# Altium PCB Thermostat_8CH.PCBDOC (part 3 of 10) (continued)
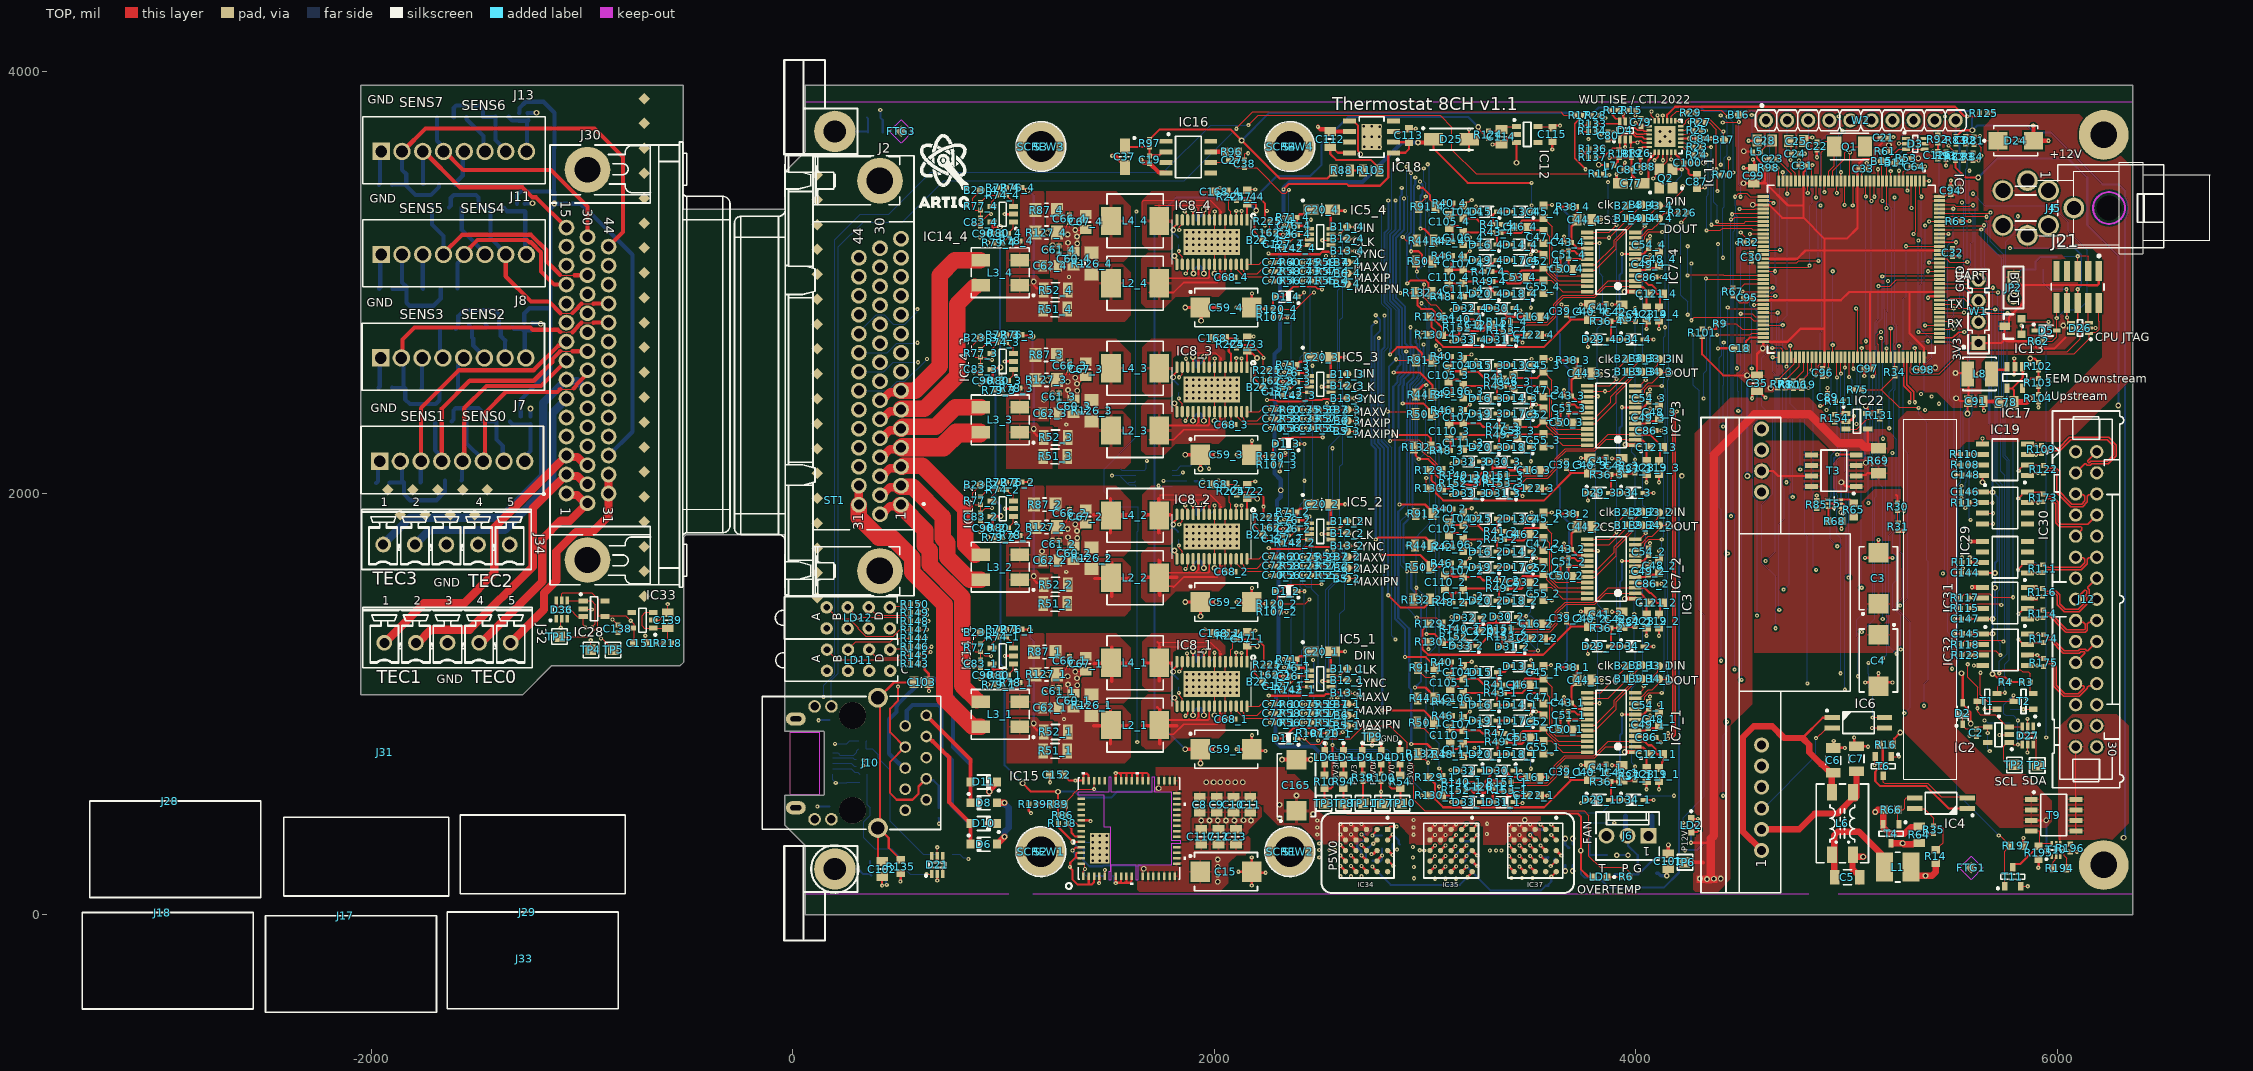
[diagram p0: TOP view]
## Part data (continued)
R40_1 R40_2 R40_3 R40_4 R42_1 R42_2 R42_3 R42_4 R46_1 R46_2 R46_3 R46_4 R48_1 R48_2 R48_3 R48_4: library part R0402_51R_1%_0.0625W_100PPM, "Resistor - 1%", Case=0402, Manufacturer=GENERIC, Manufacturer1 ComponentHeight=0.4mm, Manufacturer1 Example="YAGEO PHYCOMP", Manufacturer1 Part Number=232270675109L, Power=0.0625W, Tolerance=±1%, Author="CERN DEM JLC", Component Type=Standard, CreateDate=03/12/2007, HelpURL=\\cern.ch\dfs\Applications\Altium\Datasheets\R0402_Phycomp_RC0402.pdf, LatestRevisionDate=17/10/2012, Manufacturer Part Number=R0402_51R_1%_0.0625W_100PPM, Mounted=Yes, Part Description="General Purpose Thick Film Chip Resistor", Part Number=R0402_51R_1%_0.0625W_100PPM, Pin Count=2, PressFit=No, Sense=No, SMD=Yes, Socket=No, Status="Not Recommended", TC=±100ppm/°C
R41_1 R41_2 R41_3 R41_4 R43_1 R43_2 R43_3 R43_4 R47_1 R47_2 R47_3 R47_4 R49_1 R49_2 R49_3 R49_4: library part R0402_2K4_1%_0.0625W_100PPM, "Resistor - 1%", Case=0402, Manufacturer=GENERIC, Manufacturer1 ComponentHeight=0.4mm, Manufacturer1 Example="YAGEO PHYCOMP", Manufacturer1 Part Number=232270672702L, Manufacturer Part Number=R0402_2K7_1%_0.0625W_100PPM, Power=0.0625W, Tolerance=±1%, Author="CERN DEM JLC", Component Type=Standard, CreateDate=03.12.2007, HelpURL=\\cern.ch\dfs\Applications\Altium\Datasheets\R0402_Phycomp_RC0402.pdf, LatestRevisionDate=17.10.2012, Mounted=Yes, Part Description="General Purpose Thick Film Chip Resistor", Part Number=R0402_2K7_1%_0.0625W_100PPM, Pin Count=2, PressFit=No, Sense=No, SMD=Yes, Socket=No, Status="Not Recommended", TC=±100ppm/°C
R44_1 R44_2 R44_3 R44_4 R50_1 R50_2 R50_3 R50_4 R91_1 R91_2 R91_3 R91_4 R132_1 R132_2 R132_3 R132_4 R157 R158 R159 R160 R163 R164 R165 R167 R168 R169 R171 R172 R176 R177 R178 R179: library part R0805_5K_0.01%_0.2W_0.2PPM_VISHAY_VSMP, "Resistor - 0.01%", Case=0805, Manufacturer="VISHAY PRECISION", Manufacturer1 ComponentHeight=0.64mm, Manufacturer Part Number=Y16245K00000T9R, Power=0.2W, Tolerance=±0.01%, Author="CERN DEM JLC", Component Type=Standard, CreateDate=22.09.2011, HelpURL=\\cern.ch\dfs\Applications\Altium\Datasheets\R0805_VISHAY_VSMP.pdf, LatestRevisionDate=22.09.2011, Mounted=Yes, Part Description="Ultra High Precision Foil Wraparound Surface Mount Chip Resistor", Part Number=R0805_5K_0.01%_0.2W_0.2PPM_VISHAY_VSMP, Pin Count=2, PressFit=No, Sense=No, SMD=Yes, Socket=No, Status=None, TC=±0.2ppm/°C
R51_1 R51_2 R51_3 R51_4 R52_1 R52_2 R52_3 R52_4: library part R1206_0R1_1%_0.25W_100PPM_YAGEO_PT, "Resistor - 1%", Case=1206, Manufacturer="YAGEO PHYCOMP", Manufacturer Part Number=PT1206FR-070R1L, Power=0.25W, Tolerance=±1%, Author="CERN DEM JMW", ComponentHeight=0.65mm, Component Type=Standard, CreateDate=06/07/2015, HelpURL=\\cern.ch\dfs\Applications\Altium\Datasheets\R1206_YAGEO_PT.pdf, LatestRevisionDate=06/07/2015, Mounted=Yes, Part Description="Current Sensor, Low TCR Chip Resistor", Part Number=R1206_0R1_1%_0.25W_100PPM_YAGEO_PT, Pin Count=2, PressFit=No, Sense=No, SMD=Yes, Socket=No, Status=None, TC=±100ppm/°C
R64 R88 R105: library part R0805_10R_1%_0.125W_200PPM, "Resistor - 1%", Case=0805, Manufacturer=GENERIC, Manufacturer1 ComponentHeight=0.6mm, Manufacturer1 Example="NIC COMPONENT", Manufacturer1 Part Number=NRC10F10R0TRF, Power=0.125W, Tolerance=±1%, Author="CERN DEM JLC", Component Type=Standard, CreateDate=03.12.2007, HelpURL=\\cern.ch\dfs\Applications\Altium\Datasheets\R0805_NIC_NRC.pdf, LatestRevisionDate=24.06.2009, Manufacturer Part Number=R0805_10R_1%_0.125W_200PPM, Mounted=Yes, Part Description="General Purpose Thick Film Chip Resistor", Part Number=R0805_10R_1%_0.125W_200PPM, Pin Count=2, PressFit=No, Sense=No, SMD=Yes, Socket=No, Status=Preferred, TC=±200ppm/°C
R69: library part R1206_0R005_1%_1W_100PPM_TT_LRMAM1206, "Resistor - 1%", Case=1206, Manufacturer="TT Electronics", Manufacturer Part Number=LRMAM1206-R005FT5, Power=1W, Tolerance=±1%, Author="CERN DEM BC", Component Type=Standard, ComponentHeight=0.8mm, CreateDate=29.07.2015, HelpURL="\\cern.ch\dfs\Applications\Altium\Datasheets\R1206_TT ELECTRONICS_LRMA.pdf", LatestRevisionDate=29.07.2015, Mounted=Yes, Part Description="Low Value Metal Alloy Resistor", Part Number=R1206_0R005_1%_1W_100PPM_TT_LRMAM1206, Pin Count=2, PressFit=No, Sense=No, SMD=Yes, Socket=No, Status="Not Recommended", TC=±100ppm/°C
R73: library part R0603_24K_1%_0.1W_100PPM, "Resistor - 1%", Case=0603, Manufacturer=GENERIC, Manufacturer1 ComponentHeight=0.55mm, Manufacturer1 Example="NIC COMPONENT", Manufacturer1 Part Number=NRC06F2402TRF, Power=0.1W, Tolerance=±1%, Author="CERN DEM JLC", Component Type=Standard, CreateDate=03.12.2007, HelpURL=\\cern.ch\dfs\Applications\Altium\Datasheets\R0603_NIC_NRC.pdf, LatestRevisionDate=13.03.2008, Manufacturer Part Number=R0603_24K_1%_0.1W_100PPM, Mounted=Yes, Part Description="General Purpose Thick Film Chip Resistor", Part Number=R0603_24K_1%_0.1W_100PPM, Pin Count=2, Sense=No, SMD=Yes, Socket=No, Status=Preferred, TC=±100ppm/°C
R81 R92 R142_1 R142_2 R142_3 R142_4: library part R0402_1K6_1%_0.0625W_100PPM, "Resistor - 1%", Case=0402, Manufacturer=GENERIC, Manufacturer1 ComponentHeight=0.4mm, Manufacturer1 Example="YAGEO PHYCOMP", Manufacturer1 Part Number=232270671602L, Power=0.0625W, Tolerance=±1%, Author="CERN DEM JLC", Component Type=Standard, CreateDate=03.12.2007, HelpURL=\\cern.ch\dfs\Applications\Altium\Datasheets\R0402_Phycomp_RC0402.pdf, LatestRevisionDate=17.10.2012, Manufacturer Part Number=R0402_1K6_1%_0.0625W_100PPM, Mounted=Yes, Part Description="General Purpose Thick Film Chip Resistor", Part Number=R0402_1K6_1%_0.0625W_100PPM, Pin Count=2, PressFit=No, Sense=No, SMD=Yes, Socket=No, Status="Not Recommended", TC=±100ppm/°C
R86 R121: library part R0402_10k_1%_0.0625W_100PPM, "Resistor - 1%", Case=0402, Manufacturer=GENERIC, Manufacturer1 ComponentHeight=0.4mm, Manufacturer1 Example="YAGEO PHYCOMP", Manufacturer1 Part Number=232270671003L, Manufacturer Part Number=R0402_10K_1%_0.0625W_100PPM, Power=0.0625W, Tolerance=±1%, Author="CERN DEM JLC", Component Type=Standard, CreateDate=03.12.2007, HelpURL=\\cern.ch\dfs\Applications\Altium\Datasheets\R0402_Phycomp_RC0402.pdf, LatestRevisionDate=17.10.2012, Mounted=Yes, Part Description="General Purpose Thick Film Chip Resistor", Part Number=R0402_10K_1%_0.0625W_100PPM, Pin Count=2, PressFit=No, Sense=No, SMD=Yes, Socket=No, Status="Not Recommended", TC=±100ppm/°C
R87_1 R87_2 R87_3 R87_4 R126_1 R126_2 R126_3 R126_4 R127_1 R127_2 R127_3 R127_4: library part R1206_0R_JUMPER_SEI_HCJ, "Resistor", Case=1206, Manufacturer="SEI (STACKPOLE ELECTRONICS INC.)", Manufacturer Part Number=HCJ1206ZT0R00, Author="CERN DEM MR", Component Type=Standard, ComponentHeight=0.8mm, CreateDate=20.02.2018, HelpURL=\\cern.ch\dfs\Applications\Altium\Datasheets\R1206_SEI_HCJ.pdf, LatestRevisionDate=20.02.2018, Mounted=Yes, Part Description="38.7A (0.0005R Max DC Resistance) Zero Ohm Jumper", Part Number=R1206_0R_JUMPER_SEI_HCJ, Pin Count=2, PressFit=No, Sense=No, SMD=Yes, Socket=No, Status="Not Recommended"
R89: library part R0603_1K8_1%_0.1W_100PPM, "Resistor - 1%", Case=0603, Manufacturer=GENERIC, Manufacturer1 ComponentHeight=0.55mm, Manufacturer1 Example="NIC COMPONENT", Manufacturer1 Part Number=NRC06F1801TRF, Power=0.1W, Tolerance=±1%, Author="CERN DEM JLC", Component Type=Standard, CreateDate=03.12.2007, HelpURL=\\cern.ch\dfs\Applications\Altium\Datasheets\R0603_NIC_NRC.pdf, LatestRevisionDate=13.03.2008, Manufacturer Part Number=R0603_1K8_1%_0.1W_100PPM, Mounted=Yes, Part Description="General Purpose Thick Film Chip Resistor", Part Number=R0603_1K8_1%_0.1W_100PPM, Pin Count=2, PressFit=No, Sense=No, SMD=Yes, Socket=No, Status=Preferred, TC=±100ppm/°C
R95 R98: library part R0402_1K5_1%_0.0625W_100PPM, "Resistor - 1%", Case=0402, Manufacturer=GENERIC, Manufacturer1 ComponentHeight=0.4mm, Manufacturer1 Example="YAGEO PHYCOMP", Manufacturer1 Part Number=232270671502L, Power=0.0625W, Tolerance=±1%, Author="CERN DEM JLC", Component Type=Standard, HelpURL=\\cern.ch\dfs\Applications\Altium\Datasheets\R0402_Phycomp_RC0402.pdf, Manufacturer Part Number=R0402_1K5_1%_0.0625W_100PPM, Mounted=Yes, Part Description="General Purpose Thick Film Chip Resistor", Part Number=R0402_1K5_1%_0.0625W_100PPM, Pin Count=2, PressFit=No, Sense=No, SMD=Yes, Socket=No, Status="Not Recommended", TC=±100ppm/°C
  R95: CreateDate=03.12.2007, LatestRevisionDate=17.10.2012
  R98: CreateDate=03/12/2007, LatestRevisionDate=17/10/2012
R102: library part R0402_240K_1%_0.0625W_100PPM, "Resistor - 1%", Case=0402, Manufacturer=GENERIC, Manufacturer1 ComponentHeight=0.4mm, Manufacturer1 Example="YAGEO PHYCOMP", Manufacturer1 Part Number=232270672404L, Power=0.0625W, Tolerance=±1%, Author="CERN DEM JLC", Component Type=Standard, CreateDate=03.12.2007, HelpURL=\\cern.ch\dfs\Applications\Altium\Datasheets\R0402_Phycomp_RC0402.pdf, LatestRevisionDate=17.10.2012, Manufacturer Part Number=R0402_240K_1%_0.0625W_100PPM, Mounted=Yes, Part Description="General Purpose Thick Film Chip Resistor", Part Number=R0402_240K_1%_0.0625W_100PPM, Pin Count=2, PressFit=No, Sense=No, SMD=Yes, Socket=No, Status="Not Recommended", TC=±100ppm/°C
R104: library part R0402_2K_1%_0.0625W_100PPM, "Resistor - 1%", Case=0402, Manufacturer=GENERIC, Manufacturer1 ComponentHeight=0.4mm, Manufacturer1 Example="YAGEO PHYCOMP", Manufacturer1 Part Number=232270672002L, Power=0.0625W, Tolerance=±1%, Author="CERN DEM JLC", Component Type=Standard, CreateDate=03.12.2007, HelpURL=\\cern.ch\dfs\Applications\Altium\Datasheets\R0402_Phycomp_RC0402.pdf, LatestRevisionDate=17.10.2012, Manufacturer Part Number=R0402_2K_1%_0.0625W_100PPM, Mounted=Yes, Part Description="General Purpose Thick Film Chip Resistor", Part Number=R0402_2K_1%_0.0625W_100PPM, Pin Count=2, PressFit=No, Sense=No, SMD=Yes, Socket=No, Status="Not Recommended", TC=±100ppm/°C
R107_1 R107_2 R107_3 R107_4 R128 R138: library part R0402_100K_1%_0.0625W_100PPM, "Resistor - 1%", Case=0402, Manufacturer=GENERIC, Manufacturer1 ComponentHeight=0.4mm, Manufacturer1 Example="YAGEO PHYCOMP", Manufacturer1 Part Number=232270671004L, Power=0.0625W, Tolerance=±1%, Author="CERN DEM JLC", Component Type=Standard, CreateDate=03.12.2007, HelpURL=\\cern.ch\dfs\Applications\Altium\Datasheets\R0402_Phycomp_RC0402.pdf, LatestRevisionDate=17.10.2012, Manufacturer Part Number=R0402_100K_1%_0.0625W_100PPM, Mounted=Yes, Part Description="General Purpose Thick Film Chip Resistor", Part Number=R0402_100K_1%_0.0625W_100PPM, Pin Count=2, PressFit=No, Sense=No, SMD=Yes, Socket=No, Status="Not Recommended", TC=±100ppm/°C
R108 R109 R110 R111 R112 R113 R114 R115 R116 R117 R118 R122 R123 R131 R139 R173 R174 R175: library part R0402_100R_1%_0.0625W_100PPM, "Resistor - 1%", Case=0402, Manufacturer=GENERIC, Manufacturer1 ComponentHeight=0.4mm, Manufacturer1 Example="YAGEO PHYCOMP", Manufacturer1 Part Number=232270671001L, Power=0.0625W, Tolerance=±1%, Author="CERN DEM JLC", Component Type=Standard, CreateDate=03.12.2007, HelpURL=\\cern.ch\dfs\Applications\Altium\Datasheets\R0402_Phycomp_RC0402.pdf, LatestRevisionDate=17.10.2012, Manufacturer Part Number=R0402_100R_1%_0.0625W_100PPM, Mounted=Yes, Part Description="General Purpose Thick Film Chip Resistor", Part Number=R0402_100R_1%_0.0625W_100PPM, Pin Count=2, PressFit=No, Sense=No, SMD=Yes, Socket=No, Status="Not Recommended", TC=±100ppm/°C
R129_1 R129_2 R129_3 R129_4 R130_1 R130_2 R130_3 R130_4 R135 R155 R156 R161 R162 R166 R170 R180 R181 R220 R223: library part R0603_0R_JUMPER, "Resistor", Case=0603, Manufacturer=GENERIC, Manufacturer1 ComponentHeight=0.55mm, Manufacturer1 Example="NIC COMPONENT", Manufacturer1 Part Number=NRC06Z0, Author="CERN DEM JLC", Component Type=Standard, CreateDate=03.12.2007, HelpURL=\\cern.ch\dfs\Applications\Altium\Datasheets\R0603_NIC_NRC.pdf, LatestRevisionDate=13.03.2008, Manufacturer Part Number=R0603_0R_JUMPER, Mounted=Yes, Part Description="1A (0.05R Max DC Resistance) Zero Ohm Jumper", Part Number=R0603_0R_JUMPER, Pin Count=2, PressFit=No, Sense=No, SMD=Yes, Socket=No, Status=Preferred
R140_1 R140_2 R140_3 R140_4 R151_1 R151_2 R151_3 R151_4 R152_1 R152_2 R152_3 R152_4 R153_1 R153_2 R153_3 R153_4: library part R0402_270R_1%_0.0625W_100PPM, "Resistor - 1%", Case=0402, Manufacturer=GENERIC, Manufacturer1 ComponentHeight=0.4mm, Manufacturer1 Example="YAGEO PHYCOMP", Manufacturer1 Part Number=232270672701L, Power=0.0625W, Tolerance=±1%, Author="CERN DEM JLC", Component Type=Standard, CreateDate=03.12.2007, HelpURL=\\cern.ch\dfs\Applications\Altium\Datasheets\R0402_Phycomp_RC0402.pdf, LatestRevisionDate=17.10.2012, Manufacturer Part Number=R0402_270R_1%_0.0625W_100PPM, Mounted=Yes, Part Description="General Purpose Thick Film Chip Resistor", Part Number=R0402_270R_1%_0.0625W_100PPM, Pin Count=2, PressFit=No, Sense=No, SMD=Yes, Socket=No, Status="Not Recommended", TC=±100ppm/°C
R219 R221 R231: library part R0402_162K_1%_0.063W_100PPM, "Resistor - 1%", Case=0402, Manufacturer=GENERIC, Manufacturer1 ComponentHeight=0.4mm, Manufacturer1 Example=VISHAY, Manufacturer1 Part Number=CRCW0402162KFK, Power=0.063W, Tolerance=±1%, Author="CERN DEM BC", Component Type=Standard, CreateDate=17.11.2020, HelpURL="\\cern.ch\dfs\Applications\Altium\Datasheets\R0402_VISHAY_CRCW e3.pdf", LatestRevisionDate=17.11.2020, Manufacturer Part Number=R0402_162K_1%_0.063W_100PPM, Mounted=Yes, Part Description="General Purpose Thick Film Chip Resistor", Part Number=R0402_162K_1%_0.063W_100PPM, Pin Count=2, PressFit=No, Sense=No, SMD=Yes, Socket=No, Status=None, TC=±100ppm/°C
R222: library part R0603_2K74_0.1%_0.063W_10PPM, "Resistor - 0.1%", Case=0603, Manufacturer=GENERIC, Manufacturer1 ComponentHeight=0.5mm, Manufacturer1 Example="TYCO HOLSWORTHY", Manufacturer1 Part Number=RN73C1J2K74BTDF, Power=0.063W, Tolerance=±0.1%, Author="CERN DEM JLC", Component Type=Standard, CreateDate=03.12.2007, HelpURL=\\cern.ch\dfs\Applications\Altium\Datasheets\R0603_Tyco_RN73.pdf, LatestRevisionDate=13.03.2008, Manufacturer Part Number=R0603_2K74_0.1%_0.063W_10PPM, Mounted=Yes, Part Description="Thin Film Chip Resistor", Part Number=R0603_2K74_0.1%_0.063W_10PPM, Pin Count=2, PressFit=No, Sense=No, SMD=Yes, Socket=No, Status="Not Recommended", TC=±10ppm
R224_1 R224_2 R224_3 R224_4: library part R0402_0R_Jumper, "Resistor", Case=0402, Manufacturer=GENERIC, Manufacturer1 ComponentHeight=0.4mm, Manufacturer1 Example="YAGEO PHYCOMP", Manufacturer1 Part Number=232270591001L, Manufacturer Part Number=R0402_0R_JUMPER, Author="CERN DEM JLC", Component Type=Standard, CreateDate=03.12.2007, HelpURL=\\cern.ch\dfs\Applications\Altium\Datasheets\R0402_Phycomp_RC0402.pdf, LatestRevisionDate=17.10.2012, Mounted=Yes, Part Description="1A (0.05R Max DC Resistance) Zero Ohm Jumper", Part Number=R0402_0R_JUMPER, Pin Count=2, PressFit=No, Sense=No, SMD=Yes, Socket=No, Status="Not Recommended"
R226 R227 R228 R229 R230: library part R0402_0R_JUMPER, "Resistor", Case=0402, Manufacturer=GENERIC, Manufacturer1 ComponentHeight=0.4mm, Manufacturer1 Example="YAGEO PHYCOMP", Manufacturer1 Part Number=232270591001L, Author="CERN DEM JLC", Component Type=Standard, CreateDate=03.12.2007, HelpURL=\\cern.ch\dfs\Applications\Altium\Datasheets\R0402_Phycomp_RC0402.pdf, LatestRevisionDate=17.10.2012, Manufacturer Part Number=R0402_0R_JUMPER, Mounted=Yes, Part Description="1A (0.05R Max DC Resistance) Zero Ohm Jumper", Part Number=R0402_0R_JUMPER, Pin Count=2, PressFit=No, Sense=No, SMD=Yes, Socket=No, Status="Not Recommended"
S1 S2 S3 S4: library part "WA-SMSI,  9774050151", "WA-SMSI SMD Steel Spacer with internal Thread", Manufacturer="Wurth Elektronik", ComponentLink1Description=Manufacturer, ComponentLink1URL=http://www.we-online.de, ComponentLink2Description=Datasheet, ComponentLink2URL=http://katalog.we-online.de/em/datasheet/9774050151.pdf, Created by="Baojun Chen", Created Date=20.Oct.2015, partNo=9774050151
SCREW1 SCREW2 SCREW3 SCREW4: library part BOSSARD_BN5687-3061587_v, "Screw", Manufacturer=BOSSARD, Manufacturer Part Number="BN5687 Art.3061587", Author="CERN DEM JLC", Component Type=Mechanical, ComponentHeight=5mm, CreateDate=22.08.2013, HelpURL=\\cern.ch\dfs\Applications\Altium\Datasheets\BOSSARD_BN5687-3061587.pdf, LatestRevisionDate=22.08.2013, Mounted=Yes, PackageDescription="M2.5 L=4mm Hexalobular Socket Pan Head Screw, Fully Threaded - Stainless Steel A2", Part Description="M2.5 L=4mm Hexalobular Socket Pan Head Screw, Fully Threaded, Stainless Steel A2", Part Number=BOSSARD_BN5687-3061587_v, Pin Count=0, PressFit=No, Sense=No, SMD=No, Socket=No, Status=None
ST1: library part SCHROFF_PANEL_3U_4HP_Thermostat, "Schroff 3HP 4U EUROCARD Panel", Manufacturer=Schroff, Manufacturer Part Number=20818-017, Manufacturer Part Number 2=20848-664
T1 T2 T4 T6 T8 T11: "N-CHANNEL MOSFET WITH DIODE", Case=SOT23-3, Manufacturer="ON SEMICONDUCTOR", Bonding=No, Component Type=Standard, Mounted=Yes, Pin Count=3, PressFit=No, Sense=No, SMD=Yes, Socket=No
  T1 T2 T6 T8 T11: Author="CERN DEM JLC", ComponentHeight=1.11mm, CreateDate=23.03.2009, Device=BSS138LT1G, HelpURL=\\cern.ch\dfs\Applications\Altium\Datasheets\BSS138LT1G.pdf, LatestRevisionDate=23.03.2009, Manufacturer Part Number=BSS138LT1G, PackageDescription="SOT23 3-Leads, Pitch 0.95mm - Body 1.4x3mm, IPC Medium Density", Part Description="50V 200mA N-Channel Enhancement Mode Field-Effect Transistor", Part Number=BSS138LT1G
  T4: Author="CERN DEM BC", ComponentHeight=1.12mm, ComponentLink1Description="Package Drawing", ComponentLink1URL=\\cern.ch\dfs\Applications\Altium\Datasheets\FDN86246_Package.pdf, CreateDate=10.10.2019, Device=FDN86246, HelpURL=\\cern.ch\dfs\Applications\Altium\Datasheets\FDN86246.pdf, LatestRevisionDate=10.10.2019, Manufacturer Part Number=FDN86246, PackageDescription="SOT, 0.95mm, pitch; 3 pin,1.30mm W X 2.92mm L X 1.12mm H body, IPC Medium Density", Part Description="150V 1.6A N-Channel Power Trench® MOSFET", Part Number=FDN86246
T3 T9: "-30V -19.7A P-Channel MOSFET", Case=SOIC8, Manufacturer="VISHAY SILICONIX", Author="CERN DEM MR", Bonding=No, Component Type=Standard, ComponentHeight=1.75mm, CreateDate=05/10/2016, Device=SI4425DDY-T1-GE3, HelpURL=\\cern.ch\dfs\Applications\Altium\Datasheets\SI4425DDY-T1-GE3.pdf, LatestRevisionDate=05/10/2016, Manufacturer Part Number=SI4425DDY-T1-GE3, Mounted=Yes, PackageDescription="SOIC 8, Pitch 1.27mm - Body 4x5mm, IPC Medium Density", Part Description="-30V -19.7A P-Channel MOSFET", Part Number=SI4425DDY-T1-GE3, Pin Count=8, PressFit=No, Sense=No, SMD=Yes, Socket=No
T5 T10: "45V, 100mA PNP General Purpose Double Transistor", Case=SOT666, Manufacturer="NXP SEMICONDUCTORS", Author="CERN DEM JLC", Bonding=No, Component Type=Standard, ComponentHeight=0.6mm, CreateDate=01/12/2011, Device=BC857BV, HelpURL=\\cern.ch\dfs\Applications\Altium\Datasheets\BC857BV.pdf, LatestRevisionDate=01/12/2011, Manufacturer Part Number=BC857BV, Mounted=Yes, PackageDescription="SOTFL (SOT666), 0.50mm, Pitch; 6 Pin, 1.20mm W X 1.60mm L X 0.60mm H Body, IPC Medium Density", Part Description="-45V -100mA PNP General Purpose Double Transistor", Part Number=BC857BV, Pin Count=6, PressFit=No, Sense=No, SMD=Yes, Socket=No
T7: "50V, 180mA P-Channel Trench MOSFET", Case=SOT23-3, Manufacturer="NXP SEMICONDUCTORS", Author="CERN DEM JLC", Bonding=No, Component Type=Standard, ComponentHeight=1.1mm, CreateDate=16.04.2015, Device=BSS84AK, HelpURL=\\cern.ch\dfs\Applications\Altium\Datasheets\BSS84AK.pdf, LatestRevisionDate=16.04.2015, Manufacturer Part Number=BSS84AK, Mounted=Yes, PackageDescription="SOT23, 0.95mm Pitch; 3 Pin, 1.30mm W X 2.90mm L X 1.10mm H body, IPC Medium Density", Part Description="50V, 180mA P-channel Trench MOSFET Transistor", Part Number=BSS84AK, Pin Count=3, PressFit=No, Sense=No, SMD=Yes, Socket=No
TP1 TP2 TP3 TP4 TP5 TP6 TP7 TP8 TP9 TP10 TP11 TP15: library part SMD_PAD_1.27X1.27MM, Author="CERN DEM JLC", Component Type="Standard (No BOM)", ComponentHeight=0mm, CreateDate=12.01.2008, Family="Test Point", HelpURL=Undefined, LatestRevisionDate=12.01.2008, Mounted=No, PackageDescription="1.27mm x 1.27mm PCB Copper Area (SMD Test Point)", Part Description="1.27mm x 1.27mm PCB Copper Area (SMD Test Point)", Part Number=SMD_PAD_1.27X1.27MM, Pin Count=1, Sense=No, SMD=Yes, Socket=No, Status=None
W1: library part SAMTEC_HTSW-104-23-L-S, "4 Mini Wire-Wrap Contact Strip Header", Manufacturer=SAMTEC, Manufacturer Part Number=HTSW-104-23-L-S, Author="CERN DEM JLC", ComponentHeight=8.38mm, Component Type=Standard, CreateDate=22/02/2018, Family="Header 4", HelpURL=\\cern.ch\dfs\Applications\Altium\Datasheets\SAMTEC_HTSW-104-23-L-S.pdf, LatestRevisionDate=22/02/2018, Mounted=Yes, Part Description="4 Contacts, Pitch 2.54mm, Single Row  Through Mount Straight Header (Post Lead 5.84mm, Tail Lead 2.92mm, Insulator 2.54mm)", Part Number=SAMTEC_HTSW-104-23-L-S, Pin Count=4, PressFit=No, Sense=No, SMD=No, Socket=No, Status=Preferred, Status Comment="High Temperature"
W2: library part SAMTEC_MTLW-110-07-L-S-250, "10 Mini Wire-Wrap Contact Strip Header", Manufacturer=SAMTEC, Manufacturer Part Number=MTLW-110-07-L-S-250, Author="CERN DEM JLC", ComponentHeight=7.87mm, Component Type=Standard, CreateDate=01.11.2017, Family="Header 10", HelpURL=\\cern.ch\dfs\Applications\Altium\Datasheets\SAMTEC_MTLW-110-07-L-S-250.pdf, LatestRevisionDate=01.11.2017, Mounted=Yes, Part Description="10 Contacts, Pitch 2.54mm, Single Row Through Mount Straight Header (Post Lead = 6.35mm, Tail Lead 3.05mm, Insulator 1.52mm)", Part Number=SAMTEC_MTLW-110-07-L-S-250, Pin Count=10, PressFit=No, Sense=No, SMD=No, Socket=No, Status=None

## Free pads (board coordinates)
  round 236.22 hole 125.98: 0(6220.47,236.22) 0(6220.47,3700.79)
  rect 39.37x39.37 smd rot 45 paste-23.62 mask+0: BAL(-1922.36,2017.28) BAL(-1863.31,1899.17) BAL(-1804.25,2017.28) BAL(-1745.2,1899.17) BAL(-1686.14,2017.28) BAL(-1627.09,1899.17) BAL(-1568.03,2017.28) BAL(-1508.98,1899.17) BAL(-1449.92,2017.28)
  rect 39.37x39.37 on Mid1 rot 45 paste-23.62 mask+0: BAL(-1894.8,1566.5) BAL(-1894.8,2014.85) BAL(-1835.75,1448.39) BAL(-1835.75,1896.74) BAL(-1776.69,1566.5) BAL(-1776.69,2014.85) BAL(-1717.64,1448.39) BAL(-1717.64,1896.74) BAL(-1658.58,1566.5) BAL(-1658.58,2014.85) BAL(-1599.53,1448.39) BAL(-1599.53,1896.74) BAL(-1540.47,1566.5) BAL(-1540.47,2014.85) BAL(-1481.42,1448.39) BAL(-1481.42,1896.74) BAL(-1422.36,1566.5) BAL(-1422.36,2014.85) BAL(-1363.31,1448.39) BAL(-1304.25,1566.5) BAL(-1245.2,1448.39)
  rect 39.37x39.37 smd far side rot 45 paste-23.62 mask+0: BAL(-1859.24,1583.48) BAL(-1800.19,1465.37) BAL(-1741.13,1583.48) BAL(-1682.08,1465.37) BAL(-1623.02,1583.48) BAL(-1563.97,1465.37) BAL(-1504.91,1583.48) BAL(-1445.86,1465.37) BAL(-1386.8,1583.48) BAL(-1327.75,1465.37)
  rect 39.37x39.37 on Mid1 rot 135 paste-23.62 mask+0: BAL(-781.06,3485.12) BAL(-781.06,3603.23) BAL(-781.06,3721.34) BAL(-626.72,2320.75) BAL(-626.72,2438.86) BAL(-626.72,2556.97) BAL(-626.72,2675.08) BAL(-626.72,2793.19) BAL(-626.72,2911.3) BAL(-626.72,3029.41) BAL(-626.72,3147.52) BAL(-626.72,3265.63) BAL(-626.72,3383.74) BAL(-626.72,3501.85) BAL(-626.72,3619.96) BAL(-626.72,3738.07) BAL(-626.72,3856.18)
  rect 39.37x39.37 smd rot 135 paste-23.62 mask+0: BAL(-706.69,1628.94) BAL(-706.69,1747.05) BAL(-706.69,1865.16) BAL(-706.69,2101.38) BAL(-706.69,2219.49) BAL(-706.69,2337.6) BAL(-706.69,2573.82) BAL(-706.69,2691.93) BAL(-706.69,2810.04) BAL(-706.69,2928.15) BAL(-706.69,3164.37) BAL(-706.69,3282.48) BAL(-706.69,3400.59) BAL(-706.69,3636.81) BAL(-706.69,3754.92) BAL(-706.69,3873.03) BAL(-706.69,1510.83) BAL(-706.69,1983.27) BAL(-706.69,2455.71) BAL(-706.69,3046.26) BAL(-706.69,3518.7) BAL(114.61,1503.82) BAL(114.61,1621.93) BAL(114.61,1740.04) BAL(114.61,1858.15) BAL(114.61,1976.26) BAL(114.61,2094.37) BAL(114.61,2212.48) BAL(114.61,2330.59) BAL(114.61,2448.7) BAL(114.61,2566.81) BAL(114.61,2684.92) BAL(114.61,2803.03) BAL(114.61,2921.14) BAL(114.61,3039.25) BAL(114.61,3157.36) BAL(114.61,3275.47) BAL(114.61,3393.58) BAL(114.61,3511.69)
  rect 39.37x39.37 smd far side rot 135 paste-23.62 mask+0: BAL(-642.28,1831.57) BAL(-642.28,2304.02) BAL(-642.28,3367.01) BAL(-642.28,3839.45) BAL(-642.28,1477.24) BAL(-642.28,1595.35) BAL(-642.28,1713.46) BAL(-642.28,1949.69) BAL(-642.28,2067.8) BAL(-642.28,2185.91) BAL(-642.28,2422.13) BAL(-642.28,2540.24) BAL(-642.28,2658.35) BAL(-642.28,2776.46) BAL(-642.28,2894.57) BAL(-642.28,3012.68) BAL(-642.28,3130.79) BAL(-642.28,3248.9) BAL(-642.28,3485.12) BAL(-642.28,3603.23) BAL(-642.28,3721.34) BAL(692.02,1232.46) BAL(692.02,1350.57) BAL(692.02,1468.68) BAL(692.02,1586.79) BAL(692.02,1704.9) BAL(692.02,1823.01) BAL(692.02,1941.12) BAL(692.02,2059.23) BAL(692.02,2177.34) BAL(692.02,2295.45) BAL(692.02,2413.56) BAL(692.02,2531.67) BAL(692.02,2649.78) BAL(692.02,2767.89) BAL(692.02,2886) BAL(692.02,3004.11) BAL(692.02,3122.22) BAL(692.02,3240.33) BAL(692.02,3358.44) BAL(810.13,1173.4) BAL(810.13,1291.51) BAL(810.13,1409.62) BAL(810.13,1527.73) BAL(810.13,1645.84) BAL(810.13,1763.95) BAL(810.13,1882.06) BAL(810.13,2000.17) BAL(810.13,2118.28) BAL(810.13,2236.39) BAL(810.13,2354.5) BAL(810.13,2472.61) BAL(810.13,2590.72) BAL(810.13,2708.83) BAL(810.13,2826.94) BAL(810.13,2945.05) BAL(810.13,3063.16) BAL(810.13,3181.27) BAL(810.13,3299.38) BAL(810.13,3417.49) BAL(1210.63,712.69) BAL(1210.63,830.8) BAL(1210.63,948.91) BAL(1210.63,1303.24) BAL(1210.63,1421.35) BAL(1210.63,1539.46) BAL(1210.63,1657.57) BAL(1210.63,1893.79) BAL(1210.63,2011.9) BAL(1210.63,2130.01) BAL(1210.63,2248.12) BAL(1210.63,2366.23) BAL(1210.63,2602.45) BAL(1210.63,2720.56) BAL(1210.63,2838.67) BAL(1210.63,2956.78) BAL(1210.63,3074.9) BAL(1328.74,771.75) BAL(1328.74,889.86) BAL(1328.74,1007.97) BAL(1328.74,1244.19) BAL(1328.74,1362.3) BAL(1328.74,1480.41) BAL(1328.74,1598.52) BAL(1328.74,1716.63) BAL(1328.74,1952.85) BAL(1328.74,2070.96) BAL(1328.74,2189.07) BAL(1328.74,2307.18) BAL(1328.74,2425.29) BAL(1328.74,2661.51) BAL(1328.74,2779.62) BAL(1328.74,2897.73) BAL(1446.85,2366.23) BAL(1446.85,712.69) BAL(1446.85,830.8) BAL(1446.85,948.91) BAL(1446.85,1067.02) BAL(1446.85,1185.13) BAL(1446.85,1303.24) BAL(1446.85,1421.35) BAL(1446.85,1539.46) BAL(1446.85,1657.57) BAL(1446.85,1775.68) BAL(1446.85,1893.79) BAL(1446.85,2130.01) BAL(1446.85,2248.12) BAL(1446.85,2484.34) BAL(1446.85,2602.45) BAL(1446.85,2720.56) BAL(1446.85,2838.67) BAL(1446.85,2956.78) BAL(1446.85,3074.9)

## Via types
v1: diameter 19.68, hole 7.87, TOP to BOT, tented both sides, 1030 vias
v2: diameter 27.56, hole 15.75, TOP to BOT, tented both sides, 191 vias
v3: diameter 23.62, hole 11.81, TOP to BOT, tented both sides, 97 vias
v4: diameter 23.62, hole 11.81, TOP to BOT, 81 vias
v5: diameter 25.98, hole 12.99, TOP to BOT, tented both sides, 10 vias

## Nets (pads, with @x,y where several pads share a name; then routed paths per layer and width w, separated by ;. In a path a pad name is that pad's centre, name@x,y a point inside that pad or via, vN(x,y) a via of type N, cw(c..) or ccw(c..) an arc to the next point about the centre after c; other vN are vias at no path point)
\S\H\D\N\0: IC9.89 R120_1.2 | length 4125.3
  TOP w5: R120_1.2@2572.95,860.05 2598.73,860.05 2605.68,867 v1(2609,867) ; v1(4992.13,2596.46) 4992.67,2597 4992.67,2644.87 IC9.89@4993.22,2645.41
  L2 w5: v1(2609,867) 2987.64,867 3032.2,822.45 3850.29,822.45 3920.89,893.04 4264.33,893.04 4439.28,1068 v1(4992,1068)
  BOT w5: v1(4992,1068) 4992.13,1068.13 4992.13,1606.84 4998.54,1613.25 4998.54,2096.41 4992.13,2102.82 v1(4992.13,2596.46)
\S\H\D\N\1: IC9.90 R120_2.2 | length 3805.3
  TOP w5: R120_2.2@2314.76,1476.13 2431.06,1476.13 v1(2450.79,1495.86) ; v1(5012,2552.16) 5012.45,2552.61 5012.45,2644.96 IC9.90@5012.91,2645.41
  L2 w5: v1(2450.79,1495.86) 2489.59,1534.66 3570.11,1534.66 3583.79,1548.34 3977.95,1548.34 4027.61,1598 5007.81,1598 v1(5009.47,1599.66)
  BOT w5: v1(5009.47,1599.66) 5009.47,2366.44 5026.81,2383.78 5026.81,2537.34 v1(5012,2552.16)
\S\H\D\N\2: IC9.91 R120_3.2 | length 3158.3
  TOP w5: R120_3.2@2314.76,2174.95 2337.95,2174.95 2343.12,2180.12 2343.12,2180.92 2336,2188.03 v1(2336,2192) ; v1(5032.48,2591.28) 5032.54,2591.33 IC9.91@5032.59,2645.41 IC9.91@5032.59,2645.41
  L2 w5: v1(2336,2192) 2946.6,2192 2976.77,2222.18 3578.55,2222.18 3636.99,2280.62 4414.53,2280.62 4480.23,2346.32 4556.61,2346.32 4558.93,2348.65 4621.51,2348.65 4623.84,2346.32 4772.58,2346.32 4792.13,2326.77 5045.73,2326.77 v1(5047.47,2328.51)
  BOT w5: v1(5032.48,2591.28) 5051.86,2571.89 5051.86,2355.51 5047.47,2351.12 v1(5047.47,2328.51)
\S\H\D\N\3: IC9.92 R120_4.2 | length 3054.2
  TOP w5: R120_4.2@2319,2873 2385,2873 2454.67,2942.67 2458.21,2942.67 2468.54,2953 v1(2472.41,2953) ; v1(5045.28,2876.97) 5045.28,2872.99 5052.28,2865.99 IC9.92@5052.28,2645.41
  TOP w10: R120_4.2@2314.76,2873.77 R120_4.2@2319,2873.77
  L2 w5: v1(2472.41,2953) 2501.37,2953 2503.85,2950.52 2714.14,2950.52 2731.53,2967.91 2979.17,2967.91 3033.85,2913.23 3975.64,2913.23 3992.99,2895.89 4004.06,2895.89 4035.29,2864.66 4485.87,2864.66 4497.34,2876.13 5044.43,2876.13 v1(5045.28,2876.97)
ADC_CLKIO: IC7_1.10 IC7_2.10 IC7_3.10 IC7_4.10 IC9.100 | length 4047.7
  TOP w5: IC7_1.10@3996.87,1001.9 4017.54,1001.9 4026.78,1011.13 4029.51,1011.13 4041.42,1023.04 4041.42,1034.11 4060.39,1053.08 v1(4123.3,1053.08) ; IC7_2.10@3996.87,1730.25 4017.54,1730.25 4026.78,1739.48 4029.51,1739.48 4041.42,1751.39 4041.42,1762.46 4060.39,1781.43 v1(4123.3,1781.43) ; IC7_4.10@3996.87,3186.94 4017.54,3186.94 4026.78,3196.17 4029.51,3196.17 4041.42,3208.08 4041.42,3219.15 4062.49,3240.23 v1(4125.38,3240.23) ; IC7_3.10@4017.54,2458.59 4026.78,2467.83 4029.51,2467.83 4041.42,2479.74 4041.42,2490.81 4060.39,2509.77 v1(4123.3,2509.77) ; IC9.100@5209.76,2645.41 v1(5209.76,2782.68)
  L2 w5: v1(4138.08,2787.95) 4138.47,2787.95 4150.54,2800.02 4431.87,2800.02 4451.25,2780.63 4729,2780.63 4731.04,2782.68 v1(5209.76,2782.68)
  BOT w5: v1(4123.3,1053.08) 4123.3,1053.57 4135.32,1065.59 4135.32,1393.76 4139.35,1397.79 4139.35,1722.48 4123.3,1738.52 v1(4123.3,1781.43) 4123.3,1785.24 4133.66,1795.6 4133.66,2141.9 4139.35,2147.59 4139.35,2493.73 v1(4123.3,2509.77) 4123.3,2513.59 4133.66,2523.94 4133.66,2741.45 4139.35,2747.14 4139.35,3226.26 v1(4125.38,3240.23)
ADC_CSn0: B1_1.1 IC7_1.14 IC9.141 | length 4061.8
  TOP w5: IC7_1.14@3768.53,1027.49 3868.8,1027.49 B1_1.1@3960.73,1119.42 3960.73,1122.79 3980.62,1142.68 v1(3980.62,1146.05) ; IC9.141@5441.06,3349.15 5441.48,3349.58 5505.58,3349.58 v1(5506,3350)
  L2 w5: v1(3980.62,1146.05) 4919.67,1146.05 4937.01,1163.4 5497.4,1163.4 v1(5501,1167)
  BOT w5: v1(5501,1167) 5501,1319.36 5480.26,1340.09 5480.26,3176.78 5506,3202.51 v1(5506,3350)
ADC_CSn1: B1_2.1 IC7_2.14 IC9.142 | length 3567.3
  TOP w5: IC7_2.14@3768.53,1755.84 3874.36,1755.84 3960.73,1842.2 3960.73,1851.55 3979.79,1870.61 v1(3979.79,1874.39) ; IC9.142@5441.06,3368.84 5511.69,3368.84 5517.95,3362.58 5583.61,3362.58 5588.03,3367 v1(5600.2,3367)
  L2 w5: v1(3979.79,1874.39) 5384.51,1874.39 5391.47,1867.43 5578.46,1867.43 5585.03,1874 v1(5589,1874)
  BOT w5: v1(5589,1874) 5582.44,1880.56 5582.44,2355.99 5595.67,2369.21 5595.67,2592.4 5585.02,2603.06 5585.02,2749.96 5585.85,2750.79 5585.85,2795.59 5585.02,2796.42 5585.02,3030.35 5610.2,3055.54 5610.2,3353.03 5600.2,3363.03 v1(5600.2,3367)
ADC_CSn2: B1_3.1 IC7_3.14 IC9.2 | length 2801.4
  TOP w5: IC7_3.14@3768.53,2484.18 3875.71,2484.18 3960.73,2569.2 B1_3.1@3960.73,2576.11 ; IC9.2@5347.55,3482.03 5347.55,3418.99 5355.09,3411.45 v1(5355.09,3407.48)
  L2 w5: v1(3853.44,2484.18) 3857.42,2484.18 3867.3,2474.3 4634.38,2474.3 4637.69,2471 v1(5353,2471)
  BOT w5: v1(5353,2471) 5368.73,2486.73 5368.73,2610.57 5403.54,2645.38 5403.54,2728.39 5382.68,2749.25 5381.29,2749.25 5350.68,2779.86 5350.68,2989.84 5358.02,2997.18 5358.02,3207.16 5355.09,3210.09 v1(5355.09,3407.48)
ADC_CSn3: B1_4.1 IC7_4.14 IC9.3 | length 1948.9
  TOP w5: IC7_4.14@3768.53,3212.53 v1(3873.06,3212.53) 3960.73,3300.2 B1_4.1@3960.73,3304.46 ; v1(5318.1,3230.32) 5318.1,3234.29 5327.87,3244.05 IC9.3@5327.87,3482.03
  L2 w5: v1(3873.06,3212.53) 3979.65,3212.53 3989.3,3202.89 4093.39,3202.89 4103.39,3212.89 4556.61,3212.89 4574.03,3230.32 v1(5318.1,3230.32)